# KiCad board polyPath.kicad_pcb (continued)
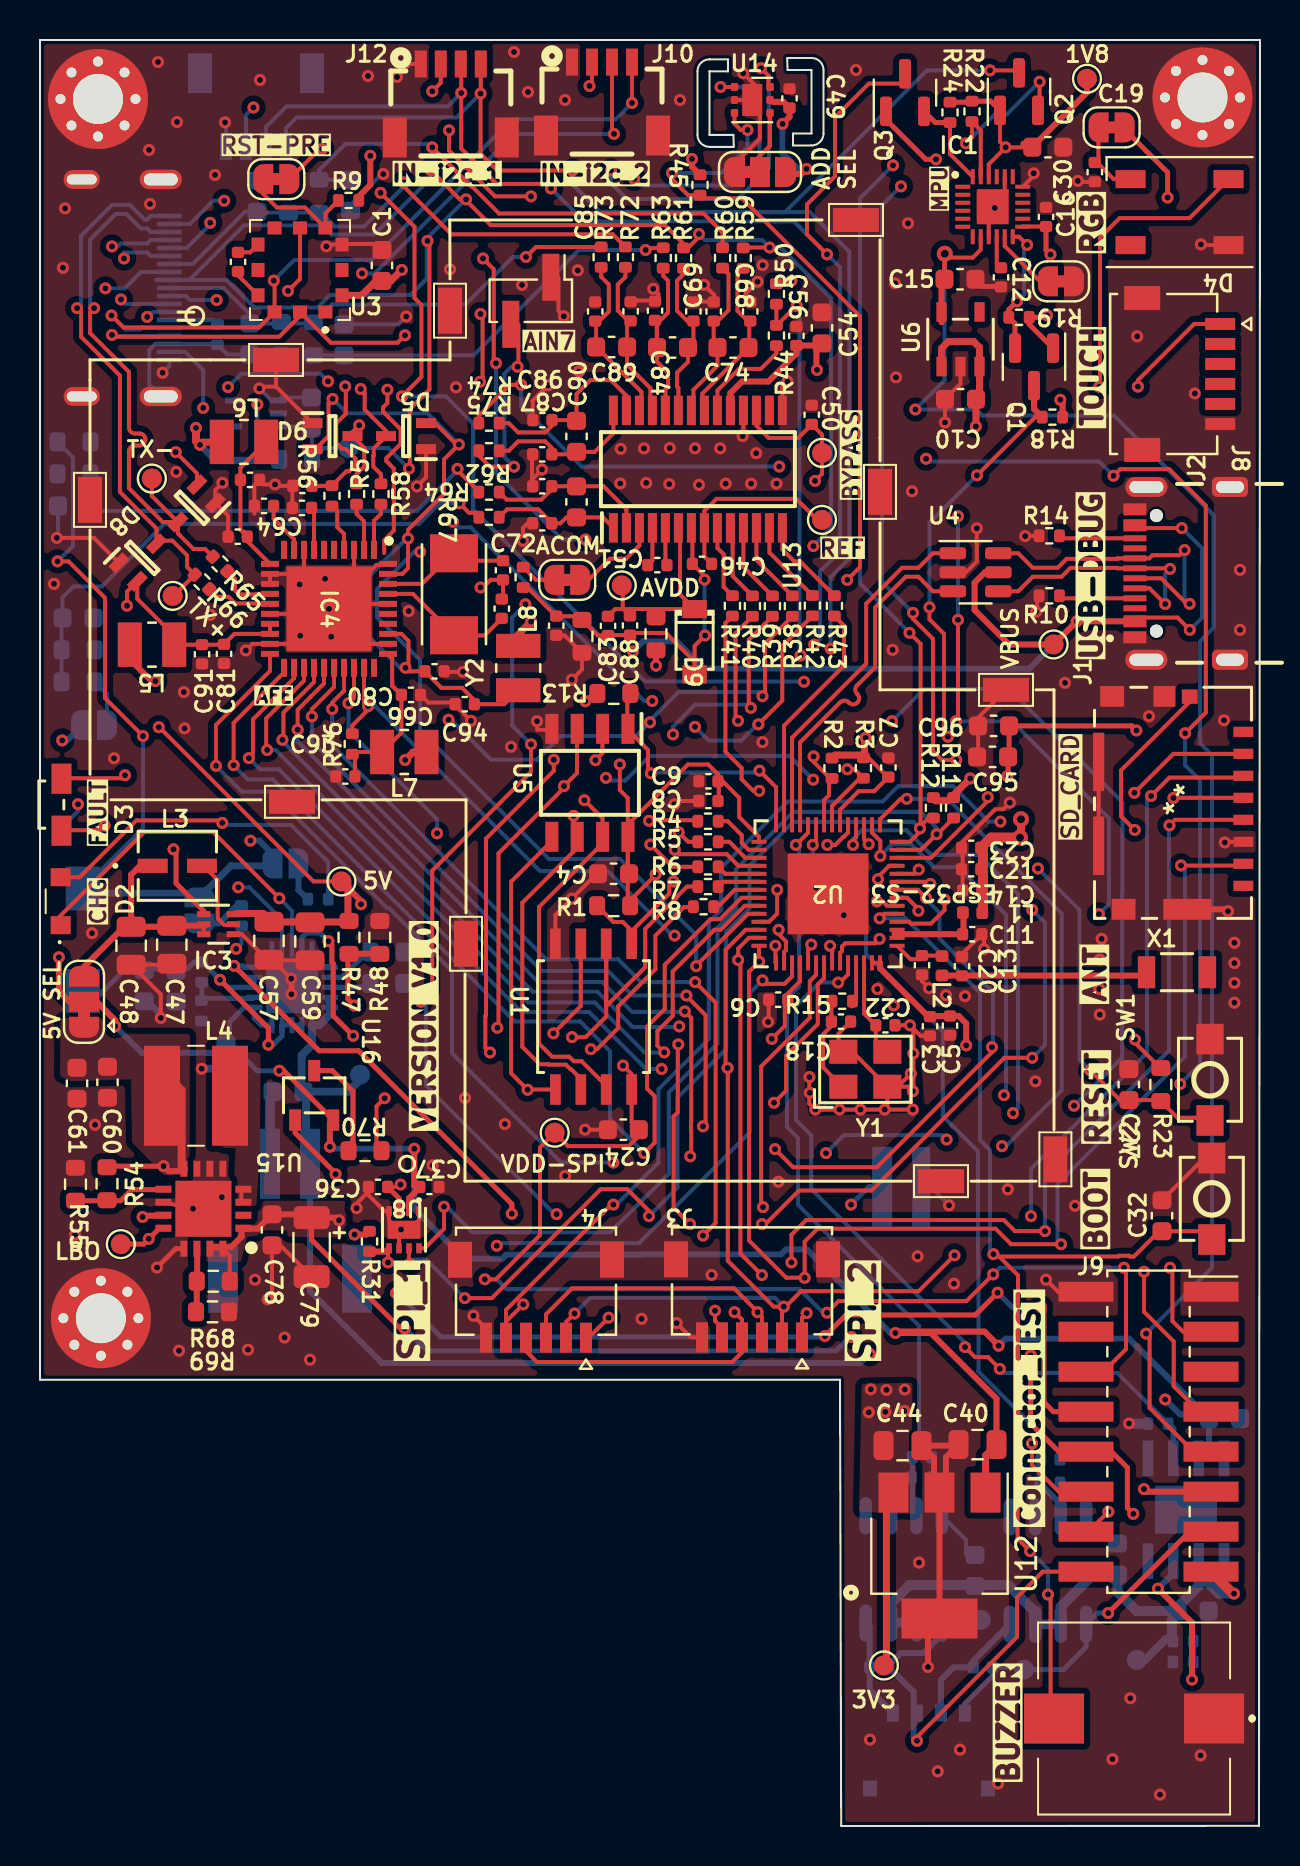
[diagram p0: board, top side]
## Placement (name value [footprint] x y rotation side) (continued)
U16  MMUN2133LT1G TRANS PREBIAS PNP 50V SOT23-3  [MMUN2133LT1-JLCPCB]  13.71 36.54 270 top
X1  2.4GHz Chip RF Antenna 2.4GHz ~ 2.5GHz 0.5dBi Solder Surface Mount  [ANTENNAE]  56.85 42.7 0 top
Y1  40 MHz ±10ppm Crystal 15pF 4-SMD, No Lead  [CRYSTAL-SMD_ESP32]  41.27 37.85 0 top
Y2  8 MHz ±20ppm Crystal 18pF 140 Ohms 2-SMD, No Lead  [AFE-XTAL_ABM3-8.000MHZ-D2Y-T]  20.7 61.6 270 top

## Library data of the parts
5V1 TP1-TP15 = -: Description: test point
C1 C4 C24 C28 C31 C32 C54 C55 C58 C95 = -: Description: Unpolarized capacitor; LCSC: CC0603KRX7R6BB104
C2 = -: Description: Unpolarized capacitor; LCSC: CC0402KRX7R7BB102
C3 C62 = -: Description: Unpolarized capacitor; LCSC: CC0402KRX7R6BB103
C5 C9 C21 C46 C50 C56 = -: Description: Unpolarized capacitor; LCSC: CL05A105KP5NNNC
C6-C8 C11 C14 C30 C36 C37 C49 = -: Description: Unpolarized capacitor; LCSC: VJ0402G104KXQCW1BC
C10 C15 C35 = -: Description: Unpolarized capacitor; LCSC: CL10A106MO8NQNC; digi: CL10A106MO8NQNC
C12 = -: Description: Unpolarized capacitor; LCSC: CL05B104KO5NNNC
C13 C20 = -: Description: Unpolarized capacitor; LCSC: GJM1555C1H1R7WB01D
C16 C41 C42 = -: Description: Unpolarized capacitor; LCSC: CL05B104KO5NNNC; digi: CL05B104KO5NNNC
C17 = -: Description: Unpolarized capacitor; DIGI: CL10A106KP8NNNC; LCSC: CL10A106KP8NNNC
C18 C22 = -: Description: Unpolarized capacitor; LCSC: GJM1555C1H160GB01D
C19 C38 = -: Description: Unpolarized capacitor; LCSC: CC0603KRX7R6BB104; digi: CC0603KRX7R6BB104
C23 = -: Description: Unpolarized capacitor; LCSC: CL05A106MP5NUNC
C25 = -: Description: Unpolarized capacitor; DIGIKEY: CL10A106KP8NNNC; LCSC: CL10A106KP8NNNC
C26 = -: Description: Unpolarized capacitor; DIGI2: CL10A106KP8NNNC; LCSC: CL10A106KP8NNNC
C27 = -: Description: Unpolarized capacitor; LCSC: CL10B105KP8NNNC
C29 C39 C45 C52 C53 = -: Description: Unpolarized capacitor; LCSC: CL10A106KP8NNNC
C33 C34 C82 C88 = -: Description: Unpolarized capacitor; DIGI: CL05B104KO5NNNC; LCSC: CL05B104KO5NNNC
C40 C44 = -: LCSC: C2844306
C43 = -: Description: Unpolarized capacitor; DIGIKEY: CL10B105KP8NNNC; LCSC: CL10B105KP8NNNC
C47 C48 = -: Description: Unpolarized capacitor; LCSC: C0805C106K8PAC7210; digi: C0805C106K8PAC7210
C51 = -: Description: Unpolarized capacitor; DIGI: GRM1555C1H472JE01D; LCSC: GRM1555C1H472JE01D
C57 C59 = -: Description: Unpolarized capacitor; DIGI: C0805C106K8PAC7210; LCSC: C0805C106K8PAC7210
C60 = -: LCSC: CL10A106KP8NNNC
C61 = -: LCSC: CC0603KRX7R6BB104
C63 = -: Description: Unpolarized capacitor; LCSC: CL05A225MP5NSNC
C64 = -: Description: Unpolarized capacitor; Field5: CL05A225MP5NSNC; LCSC: CL05A225MP5NSNC
C65 C66 = -: Description: Unpolarized capacitor; DIG: VJ0402G104KXQCW1BC; LCSC: VJ0402G104KXQCW1BC
C67 C77 = -: Description: Unpolarized capacitor; DIGI: CC0402JRNPO9BN180; LCSC: CC0402JRNPO9BN180
C68-C73 C84-C87 = -: Description: Unpolarized capacitor; LCSC: CC0402JRNPO9BN151
C74-C76 C89 C90 = -: Description: Unpolarized capacitor; LCSC: C0402C162J8JAC7867
C78 = -: LCSC: GCM188R70J225KE22D
C79 = -: LCSC: TMCMA0J107MTRF
C80 = -: Description: Unpolarized capacitor; DIGI: VJ0402G104KXQCW1BC; LCSC: VJ0402G104KXQCW1BC
C81 = -: Description: Unpolarized capacitor; DIG: VJ0402G104KXQCW1BC; LCSC: CL05A105KP5NNNC
C83 = -: Description: Unpolarized capacitor; DIGI: CL05A105KP5NNNC; LCSC: CL05A105KP5NNNC
C91-C94 = -: Description: Unpolarized capacitor; DIGI: CL05A106MQ5NUNC; LCSC: CL05A106MQ5NUNC
C96 = -: Description: Unpolarized capacitor, small symbol; LCSC: CL10A475KP8NNNC
D1 = -: DIGI: SS14; LCSC: SS14
D2 = -: Description: Light emitting diode; LCSC: APA2107LSECK/J4-PRV
D3 D7 = -: Description: Light emitting diode; LCSC: APA2106SURCK
D4 = -: Description: RGB LED with integrated controller; LCSC: 485-3094; Field5: 1
D5 = -: LCSC: BAV99W-7-F
D6 = -: LCSC: BAV99W-7-F; MANUFACTURER: Nexperia USA; PARTREV: 8; STANDARD: IPC-7351B
D8 = -: DIIG: BAV99W-7-F; LCSC: BAV99W-7-F; MANUFACTURER: Nexperia USA; PARTREV: 8; STANDARD: IPC-7351B
D9 = -: DIGI: MMSZ5232BT1G; LCSC: MMSZ5232BT1G; MANUFACTURER: Taiwan Semiconductor; MAXIMUM_PACKAGE_HEIGHT: 1.15 mm; PARTREV: F15; STANDARD: Manufacturer Recommendations
D10 = -: DIGI: BAV99W-7-F; LCSC: BAV99W-7-F; MANUFACTURER: Nexperia USA; PARTREV: 8; STANDARD: IPC-7351B
H1-H3 = -: Description: Mounting Hole with connection
HDMI1 = -: LCSC: 2013978-2
IC1 = -: Description: IMUs - Inertial Measurement Units World\'s Lowest Power 9-Axis MEMS MotionTracking Device; Height: 1.05; LCSC: ICM-20948; Manufacturer_Name: TDK; Manufacturer_Part_Number: ICM-20948; Mouser Part Number: 410-ICM-20948; Mouser Price/Stock: https://www.mouser.co.uk/ProductDetail/TDK-InvenSense/ICM-20948?qs=u4fy%2FsgLU9OtGc31yF%2Friw%3D%3D
IC2 = -: Description: Precision Micropower Shunt Voltage Reference; DIGIKEY: LM4040A25IDCKR; LCSC: LM4040A25IDCKR; Manufacturer_Name: Texas Instruments; Manufacturer_Part_Number: LM4040A25IDCKR; Mouser Price/Stock: https://www.mouser.co.uk/ProductDetail/Texas-Instruments/LM4040A25IDCKR?qs=VBduBm9rCJQQO6dEmOWrgw%3D%3D; Field10: *
IC3 = -: Description: Switching Voltage Regulators 3-A boost converter with 0.5-V ultra-low input voltage 6-SOT-5X3 -40 to 125; DIGI: TPS61023DRLR; Height: 0.6; LCSC: TPS61023DRLR; Manufacturer_Name: Texas Instruments; Manufacturer_Part_Number: TPS61023DRLR; Mouser Part Number: 595-TPS61023DRLR; Mouser Price/Stock: https://www.mouser.co.uk/ProductDetail/Texas-Instruments/TPS61023DRLR?qs=BJlw7L4Cy7%2FfEnwYuWeGOg%3D%3D; texas link: https://webench.ti.com/appinfo/webench/scripts/SDP.cgi?ID=CA948A87DE33687B
IC4 = -: Description: Integrated Analog Front End (AFE) for Heart-Rate Monitors and Low-Cost Pulse Oximeters; Height: 1; LCSC: AFE4490RHAT; Manufacturer_Name: Texas Instruments; Manufacturer_Part_Number: AFE4490RHAT; Mouser Part Number: AFE4490RHAT; Mouser Price/Stock: https://www.mouser.co.uk/ProductDetail/Texas-Instruments/AFE4400RHAT?qs=%2FrNExBQRqERTf7sqnAx%2F%252Bg%3D%3D
J1 = -: LCSC: 1051620001
J2 = -: LCSC: USB4105-GF-A-120; MANUFACTURER: Global Connector Technology; MAXIMUM_PACKAGE_HEIGHT: 3.31mm; PARTREV: B3; STANDARD: Manufacturer Recommendations
J3 J4 = -: LCSC: 5015680607
J5 = -: Description: \nConnector Header Surface Mount, Right Angle 2 position 0.079 (2.00mm)\n; Availability: In Stock; Check_prices: https://www.snapeda.com/parts/S2B-PH-SM4-TB(LF)(SN)/JST+Sales+America+Inc./view-part/?ref=eda; DIGIKEY: S2B-PH-SM4-TB; LCSC: S2B-PH-SM4-TB; MANUFACTURER: JST; MF: JST Sales; MP: S2B-PH-SM4-TB(LF)(SN); Package: None; Price: None; STANDARD: Manufacturer Recommendation; SnapEDA_Link: https://www.snapeda.com/parts/S2B-PH-SM4-TB(LF)(SN)/JST+Sales+America+Inc./view-part/?ref=snap
J6 = -: LCSC: 0781710004; MANUFACTURER: MOLEX; MAXIMUM_PACKAGE_HEIGHT: 1.52mm; PARTREV: G; STANDARD: Manufacturer Recommendations
J7 = -: Description: Generic connector, single row, 01x02, script generated; LCSC: C7434675
J8 = -: LCSC: 5015680607; MANUFACTURER: Molex; MAXIMUM_PACKAGE_HEIGHT: 4.7 mm; PARTREV: A; STANDARD: Manufacturer Recommendations
J9 = -: Description: Generic connector, double row, 02x08, counter clockwise pin numbering scheme (similar to DIP package numbering), script generated (kicad-library-utils/schlib/autogen/connector/); LCSC: C3975172
J10 J11 = -: LCSC: PRT-14417; MANUFACTURER: JST; MAXIMUM_PACKAGE_HEIGHT: 5.8 mm; PARTREV: N/A; STANDARD: Manufacturer Recommendations; digi: SM04B-ZESS-TB
J12 = -: LCSC: PRT-14417; MANUFACTURER: JST; MAXIMUM_PACKAGE_HEIGHT: 5.8 mm; PARTREV: N/A; STANDARD: Manufacturer Recommendations
JP1-JP6 JP9 = -: Description: Jumper, 2-pole, open
JP7 = -: Description: Jumper, 3-pole, both open
JP8 = -: Description: Jumper, 3-pole, both open; Field4: 1; Field5: 3
L1 = -: Description: Inductor; LCSC: LQG15HS2N0S02D
L2 = -: Description: Inductor; LCSC: LQG15WH1N9S02D
L3 = -: Description: Inductor; LCSC: IHLP1212AEERR47M11
L4 = -: Description: Inductor symbol for simulation only; DIGI: DR73-6R8-R; Field8: https://www.digikey.com/en/products/detail/laird-signal-integrity-products/TYS50406R8M-10/4733476; LCSC: TYS50406R8M-10; MOUSER MUST BUY MOUSER: TYS50406R8M-10; link: https://www.digikey.com/en/products/detail/laird-signal-integrity-products/TYS50406R8M-10/4733476
L5-L8 = -: Description: Inductor symbol for simulation only; LCSC: MAKK2520H100M
LS1 = -: Description: Audio Indicators & Alerts Buzzer 9.6mm sq 2.7kHz 3V SMT; Height: 5; Manufacturer_Name: CUI Devices; Mouser Part Number: 490-CMI-9653S-SMT-TR; Mouser Price/Stock: https://www.mouser.co.uk/ProductDetail/CUI-Devices/CMI-9653S-SMT-TR?qs=qCxwlXJ4fnz7UpLQu8UKbg%3D%3D
MP1-MP9 = -: Description: Shield Clip, SMT, Midi, Beryllium Copper, tin, Tape & Reeled; Height: 3.55; Manufacturer_Name: Harwin; Manufacturer_Part_Number: S1711-46R; Mouser Part Number: N/A; Mouser Price/Stock: https://www.mouser.co.uk/ProductDetail/Harwin/S1711-46R?qs=93uzuGORGqc8FyLhIh5ctw%3D%3D
MP10 = -: Description: Shield Clip, SMT, Midi, Beryllium Copper, tin, Tape & Reeled; Height: 3.55; Manufacturer_Name: Harwin; Mouser Part Number: N/A; Mouser Price/Stock: https://www.mouser.co.uk/ProductDetail/Harwin/S1711-46R?qs=93uzuGORGqc8FyLhIh5ctw%3D%3D
NTC1 = -: Description: Temperature dependent resistor, negative temperature coefficient; LCSC: 4890
Q1-Q3 = -: Description: 50V Vds, 0.22A Id, N-Channel MOSFET, SOT-23; LCSC: BSS138
R1 R13 = -: Description: Resistor; LCSC: RT0603BRD07100KL
R2 R3 R11 R12 R31 R35 R76 = -: Description: Resistor; LCSC: RC0402FR-0710KL
R4-R8 R15 R57 R58 R65 R66 = -: Description: Resistor; LCSC: RC0402JR-070RL
R9 = -: Description: Resistor; LCSC: RC0402FR-072K2L
R10 R14 = -: Description: Resistor; DIGI: CRCW04025K10JNED; LCSC: CRCW04025K10JNED
R16 = -: Description: Resistor; DIGI: RC0402FR-07270KL; LCSC: RC0402FR-07270KL
R17 = -: Description: Resistor; DIGI: RC0402FR-07100KL; LCSC: RC0402FR-07100KL
R18 R19 = -: Description: Resistor; DIHI: RC0402JR-074K7L; LCSC: RC0402JR-074K7L
R20 = -: Description: Resistor; DIGIKEY: CRCW06031K00FKEC; LCSC: CRCW06031K00FKEC
R21 = -: Description: Resistor; DIGIKEY: RT0603BRD07100KL; LCSC: RT0603BRD07100KL
R22 R24 R32 R33 = -: Description: Resistor; DIGI: RC0402FR-0710KL; LCSC: RC0402FR-0710KL
R23 = -: Description: Resistor; LCSC: RC0603FR-0710KL
R25 = -: Description: Resistor; LCSC: RC0603FR-073K3L
R26 = -: Description: Resistor; LCSC: RC0603FR-072KL
R27 R56 = -: Description: Resistor; DIGI: RC0402FR-071KL; LCSC: RC0402FR-071KL
R28 = -: Description: Resistor; DIGIKEY: RC0402FR-071KL; LCSC: RC0402FR-071KL
R29 = -: Description: Resistor; LCSC: RC0603FR-07442KL
R30 = -: Description: Resistor; LCSC: RC0603FR-07160KL
R34 = -: Description: Resistor; LCSC: RC0603FR-07330RL
R36 = -: Description: Resistor; LCSC: RC0402FR-07169KL
R37 = -: Description: Resistor; LCSC: TNPW040230K1BEED; digi: TNPW040230K1BEED
R38-R44 = -: Description: Resistor; DIGI: RC0402FR-0747RL; LCSC: RC0402FR-0747RL
R45 = -: Description: Resistor; LCSC: RC0402FR-075KL
R46 R51 = -: Description: Resistor; LCSC: TNPW06034K99BEEA
R47 = -: Description: Resistor; DIGI: CR0603-FX-7323ELF; LCSC: CR0603-FX-7323ELF
R48 = -: Description: Resistor; DIGI: RC0603FR-07100KL; LCSC: RC0603FR-07100KL
R49 R52 = -: Description: Resistor; LCSC: TNPW060336K0BEEA
R50 = -: Description: Resistor; DIGI: RC0402FR-0710KL
R53 = -: Description: Resistor; LCSC: RC0402FR-071ML; digi: RC0402FR-071ML
R54 = -: LCSC: CRCW06031M87FKEA
R55 = -: LCSC: RMCF0603FT340K
R59-R64 R67 R72-R75 = -: Description: Resistor; LCSC: TNPW04021K00BEED
R68 = -: LCSC: RC0603JR-071M8L
R69 = -: LCSC: RG1608N-204-W-T1
R70 = -: LCSC: CRCW06031K00FKEC
R71 R77 = -: Description: Resistor; DIGI: RC0603JR-070RL; LCSC: RC0603JR-070RL
SW1 SW2 = -: Description: Push button switch, generic, two pins; LCSC: C557591
U1 = -: LCSC: W25Q128JVSIQ; Field5: *
U2 = -: LCSC: ESP32-S3; Field5: *
U3 = -: LCSC: MPRLS0025PA00001A
U4 = -: Description: Very low capacitance ESD protection diode, 2 data-line, SOT-23-6
U5 = -: LCSC: 4677
U6 = -: LCSC: MIC5225-1.8YM5-TR; Field5: *
U7 = -: Description: \nMicrochip MCP73871-2CCI/ML, Battery Charge Controller, 1000mA, 20-Pin QFN | Microchip Technology Inc. MCP73871-2CCI/ML\n; Availability: In Stock; Check_prices: https://www.snapeda.com/parts/MCP73871-2CCI/ML/Microchip/view-part/?ref=eda; LCSC: MCP73871-2CCI/ML; MF: Microchip; MP: MCP73871-2CCI/ML; Package: QFN-20 Microchip; Price: None; Purchase-URL: https://www.snapeda.com/api/url_track_click_mouser/?unipart_id=53522&manufacturer=Microchip&part_name=MCP73871-2CCI/ML&search_term=None; SnapEDA_Link: https://www.snapeda.com/parts/MCP73871-2CCI/ML/Microchip/view-part/?ref=snap; Field13: *
U8 = -: Description: \n3µA 1-Cell/2-Cell Fuel Gauge with ModelGauge\n; Availability: In Stock; Check_prices: https://www.snapeda.com/parts/MAX17048G+/Analog+Devices/view-part/?ref=eda; LCSC: MAX17048G+T10; MANUFACTURER: Maxim Semiconductor; MF: Analog Devices; MP: MAX17048G+; Package: TDFN-8 Maxim; Price: None; Purchase-URL: https://www.snapeda.com/api/url_track_click_mouser/?unipart_id=295942&manufacturer=Analog Devices&part_name=MAX17048G+&search_term=max17048; SnapEDA_Link: https://www.snapeda.com/parts/MAX17048G+/Analog+Devices/view-part/?ref=snap
U9 = -: Description: \nMotor control driver chip\n; Availability: Not in stock; Check_prices: https://www.snapeda.com/parts/L9110%20(SOP-8)/Asic/view-part/?ref=eda; LCSC: C513306; MF: Asic; Package: Package; Price: None; SnapEDA_Link: https://www.snapeda.com/parts/L9110%20(SOP-8)/Asic/view-part/?ref=snap
U10 = -: Description: \nMotor control driver chip\n; Availability: Not in stock; Check_prices: https://www.snapeda.com/parts/L9110%20(SOP-8)/Asic/view-part/?ref=eda; LCSC: C513306; MF: Asic; MP: L9110 (SOP-8); Package: Package; Price: None; SnapEDA_Link: https://www.snapeda.com/parts/L9110%20(SOP-8)/Asic/view-part/?ref=snap
U11 = -: Description: 2A, Low-Dropout Voltage Regulator, 1.425-6.5V Input, Adjustable Min 0.5V Output, PowerPad SO-8; LCSC: TPS7A7001DDA; Field5: *
U12 = -: LCSC: C211622
U13 = -: DIGIKEY: 296-42313-5-ND; LCSC: ADS1263IPW; MAN-NUM: ADS1263IPW
U14 = -: Description: Digital Temperature Sensor with I2C/SMBus Interface, 16 bits, +/-0.3° C, one-shot conversion, alert, nist traceable, EEPROM, WSON; LCSC: TMP117AIDRVR; LINK: https://elmwoodelectronics.ca/products/breadboard-friendly-i2c-temperature-sensor-tc74a0-tc74a0-5-0vat; LINK2: https://www.sparkfun.com/datasheets/Sensors/Temperature/LM135.pdf
U15 = -: Description: Conv DC-DC Single-OUT Step Up Texas Instruments TPS61090RSAR, Boost Converter, Step Up 0.5A Adjustable, 1.8  5.5 V, 600 kHz, 16-Pin QFN; Height: 1; Manufacturer_Name: Texas Instruments; Mouser Part Number: 595-TPS61090RSAR; Mouser Price/Stock: https://www.mouser.co.uk/ProductDetail/Texas-Instruments/TPS61090RSAR?qs=Gse6rAGbi7%2FbGTQiY2PrFA%3D%3D
U16 = -: LCSC: MMUN2133LT1G
X1 = -: LCSC: 2450AT18A0100001E
Y1 = -: Description: Four pin crystal, GND on pins 2 and 4; DIGI: 7M40000183; LCSC: C331598
Y2 = -: Description: Two pin crystal; DIGIKEY-PART: ABM3-8.000MHZ-D2Y-T; LCSC: ABM3-8.000MHZ-D2Y-T

## Footprints (pads in the part's own frame, mm; a bottom-side part is the same pattern mirrored in y, then rotated)
ADS1263
  rect 1.475x0.45 smd: 1(-2.938,4.225) 2(-2.938,3.575) 3(-2.938,2.925) 4(-2.938,2.275) 5(-2.938,1.625) 6(-2.938,0.975) 7(-2.938,0.325) 8(-2.938,-0.325) 9(-2.938,-0.975) 10(-2.938,-1.625) 11(-2.938,-2.275) 12(-2.938,-2.925) 13(-2.938,-3.575) 14(-2.938,-4.225) 15(2.938,-4.225) 16(2.938,-3.575) 17(2.938,-2.925) 18(2.938,-2.275) 19(2.938,-1.625) 20(2.938,-0.975) 21(2.938,-0.325) 22(2.938,0.325) 23(2.938,0.975) 24(2.938,1.625) 25(2.938,2.275) 26(2.938,2.925) 27(2.938,3.575) 28(2.938,4.225)
AFE-XTAL_ABM3-8.000MHZ-D2Y-T
  rect 1.9x2.4 smd: 1(-2.05,0) 2(2.05,0)
ANTENNAE
  rect 0.864x1.6 smd: 1(-1.524,0) NC(1.524,0)
BAV99W-7-F
  rect 1x0.5 smd: 1(-1,0.65) 2(-1,-0.65) 3(1,0)
BUTTON_C557591_JLCPCB
  rect 1.53x1.36 smd: 1(-2.035,0) 2(2.035,0)
C_0402_1005Metric
  rrect 0.56x0.62 smd: 1(-0.48,0) 2(0.48,0)
C_0603_1608Metric
  rrect 0.9x0.95 smd: 1(-0.775,0) 2(0.775,0)
C_0805_2012Metric
  rrect 1x1.45 smd: 1(-0.95,0) 2(0.95,0)
C_1206_3216Metric
  rrect 1.15x1.8 smd: 1(-1.475,0) 2(1.475,0)
cagefaraday2
  rect 2.3x1.2 smd: 1(0,0)
CMI9653SSMTTR
  rect 3x2.5 smd: 1(-3.75,0) 2(4.25,0)
CONNECTOR-BATTERY-S2B-PH-SM4-TB
  rect 0.991x3.505 smd: 1(-1,2.955) 2(1,2.955)
  rect 1.499x3.404 smd: 3(-3.35,-2.795) 4(3.35,-2.795)
Connector-motor-valve
  rect 0.6x0.85 smd: 1(-1.8,0) 2(-0.6,0) 3(0.6,0) 4(1.8,0)
  rect 0.7x0.8 smd: S1(2.95,-3.775) S2(-2.95,-3.775)
CRYSTAL-SMD_ESP32
  rect 1.4x1.2 smd: 1(-1.1,-0.875) 2(1.1,-0.875) 3(1.1,0.875) 4(-1.1,0.875)
DIODE-ZENER-ADS1263
  rect 0.91x1.22 smd: 1(-1.635,0) 2(1.635,0)
ESP32-S3
  rect 0.755x0.199 smd: 1(-3.452,2.6) 2(-3.452,2.2) 3(-3.452,1.8) 4(-3.452,1.4) 5(-3.452,1) 6(-3.452,0.6) 7(-3.452,0.2) 8(-3.452,-0.2) 9(-3.452,-0.6) 10(-3.452,-1) 11(-3.452,-1.4) 12(-3.452,-1.8) 13(-3.452,-2.2) 14(-3.452,-2.6) 29(3.452,-2.6) 30(3.452,-2.2) 31(3.452,-1.8) 32(3.452,-1.4) 33(3.452,-1) 34(3.452,-0.6) 35(3.452,-0.2) 36(3.452,0.2) 37(3.452,0.6) 38(3.452,1) 39(3.452,1.4) 40(3.452,1.8) 41(3.452,2.2) 42(3.452,2.6)
  rect 0.199x0.755 smd: 15(-2.6,-3.452) 16(-2.2,-3.452) 17(-1.8,-3.452) 18(-1.4,-3.452) 19(-1,-3.452) 20(-0.6,-3.452) 21(-0.2,-3.452) 22(0.2,-3.452) 23(0.6,-3.452) 24(1,-3.452) 25(1.4,-3.452) 26(1.8,-3.452) 27(2.2,-3.452) 28(2.6,-3.452) 43(2.6,3.452) 44(2.2,3.452) 45(1.8,3.452) 46(1.4,3.452) 47(1,3.452) 48(0.6,3.452) 49(0.2,3.452) 50(-0.2,3.452) 51(-0.6,3.452) 52(-1,3.452) 53(-1.4,3.452) 54(-1.8,3.452) 55(-2.2,3.452) 56(-2.6,3.452)
  rect 4.039x4.039 smd: 57(0,0)
GCT_USB4105GFA120
  round 0.65 hole 0.65 unplated: (-2.89,3.68) (2.89,3.68)
  rect 0.6x1.15 smd: A1_B12(-3.2,4.755) A4_B9(-2.4,4.755) B1_A12(3.2,4.755) B4_A9(2.4,4.755)
  rect 0.3x1.15 smd: A5(-1.25,4.755) A6(-0.25,4.755) A7(0.25,4.755) A8(1.25,4.755) B5(1.75,4.755) B6(0.75,4.755) B7(-0.75,4.755) B8(-1.75,4.755)
  oval 1x2.1 hole 0.6x1.7: SH1(-4.32,4.18) SH2(4.32,4.18)
  rrect 1x1.8 hole 0.6x1.4: SH3(-4.32,0) SH4(4.32,0)
INDCTOR-AFE
  rect 1.2x2.22 smd: 1(-1.11,0) 2(1.11,0)
INDUCTOEBOOST2-MOUSER
  rect 1.8x5 smd: 1(-1.7,0) 2(1.7,0)
inductor-470nH-TPS1
  rect 1.498x0.711 smd: 1(-1.232,0) 2(1.232,0)
L9110-SOP-8_L4.9-W3.9-P1.27-LS6.0-BL
  oval 0.63x1.865 smd: 1(-1.905,-2.682) 2(-0.635,-2.682) 3(0.635,-2.682) 4(1.905,-2.682) 5(1.905,2.682) 6(0.635,2.682) 7(-0.635,2.682) 8(-1.905,2.682)
L_0402_1005Metric
  rrect 0.59x0.64 smd: 1(-0.485,0) 2(0.485,0)
led orange
  rect 0.9x1 smd: 1(-1.2,0.25) 2(1.2,0.25)
LED_RED
  rect 1.499x0.991 smd: 1(-1.3,-0.505) 2(1.3,-0.505)
LED_WS2812B_PLCC4_5.0x5.0mm_P3.2mm
  rect 1.5x0.9 smd: 1(-2.45,1.65) 2(-2.45,-1.65) 3(2.45,-1.65) 4(2.45,1.65)
LM4040A25IDCKR
  rect 0.851x0.305 smd: 1(-1.124,0.65) 2(-1.124,0) 3(-1.124,-0.65) 4(1.124,-0.65) 5(1.124,0.65)
MAX17048G+T10-C2682616-DFN-8_L2.0-W2.0-P0.50-BL-EP
  rect 0.28x0.505 smd: 1(-0.75,-0.928) 2(-0.25,-0.928) 3(0.25,-0.928) 4(0.75,-0.928) 5(0.75,0.928) 6(0.25,0.928) 7(-0.25,0.928) 8(-0.75,0.928)
  rect 1.65x0.9 smd: 9(0,0)
MCP73871-last-version
  rect 0.813x0.254 smd: 1(-1.892,1) 2(-1.892,0.5) 3(-1.892,0) 4(-1.892,-0.5) 5(-1.892,-1) 11(1.892,-1) 12(1.892,-0.5) 13(1.892,0) 14(1.892,0.5) 15(1.892,1)
  rect 0.254x0.813 smd: 6(-1,-1.892) 7(-0.5,-1.892) 8(0,-1.892) 9(0.5,-1.892) 10(1,-1.892) 16(1,1.892) 17(0.5,1.892) 18(0,1.892) 19(-0.5,1.892) 20(-1,1.892)
  rect 2.6x2.6 smd: 21(0,0)
MIC5225-1.8YM5-TR
  rect 0.978x0.508 smd: 1(-1.365,0.95) 2(-1.365,0) 3(-1.365,-0.95) 4(1.365,-0.95) 5(1.365,0.95)
MMUN2133LT1-JLCPCB
  rect 1.07x0.6 smd: 1(1.235,-0.95) 2(1.235,0.95) 3(-1.235,0)
MountingHole_2.5mm_Pad_Via
  round 0.8 hole 0.5: 1(-1.875,0) 1(-1.326,1.326) 1(-1.326,-1.326) 1(0,1.875) 1(0,-1.875) 1(1.326,1.326) 1(1.326,-1.326) 1(1.875,0)
  round 5 hole 2.5: 1(0,0)
MOUSER-AFE
  rect 0.9x0.3 smd: 1(-2.95,2.25) 2(-2.95,1.75) 3(-2.95,1.25) 4(-2.95,0.75) 5(-2.95,0.25) 6(-2.95,-0.25) 7(-2.95,-0.75) 8(-2.95,-1.25) 9(-2.95,-1.75) 10(-2.95,-2.25) 21(2.95,-2.25) 22(2.95,-1.75) 23(2.95,-1.25) 24(2.95,-0.75) 25(2.95,-0.25) 26(2.95,0.25) 27(2.95,0.75) 28(2.95,1.25) 29(2.95,1.75) 30(2.95,2.25)
  rect 0.3x0.9 smd: 11(-2.25,-2.95) 12(-1.75,-2.95) 13(-1.25,-2.95) 14(-0.75,-2.95) 15(-0.25,-2.95) 16(0.25,-2.95) 17(0.75,-2.95) 18(1.25,-2.95) 19(1.75,-2.95) 20(2.25,-2.95) 31(2.25,2.95) 32(1.75,2.95) 33(1.25,2.95) 34(0.75,2.95) 35(0.25,2.95) 36(-0.25,2.95) 37(-0.75,2.95) 38(-1.25,2.95) 39(-1.75,2.95) 40(-2.25,2.95)
  rect 4.25x4.25 smd: 41(0,0)
MPRLS0025PA00001A
  rect 0.7x0.65 smd: 1(1.27,-2.1) 2(0,-2.1) 3(-1.27,-2.1) 7(-1.27,2.1) 8(0,2.1) 9(1.27,2.1)
  rect 0.65x0.7 smd: 4(-2.1,-1.27) 5(-2.1,0) 6(-2.1,1.27) 10(2.1,1.27) 11(2.1,0) 12(2.1,-1.27)
mpu
  rect 0.75x0.2 smd: 1(-1.5,1) 2(-1.5,0.6) 3(-1.5,0.2) 4(-1.5,-0.2) 5(-1.5,-0.6) 6(-1.5,-1) 13(1.5,-1) 14(1.5,-0.6) 15(1.5,-0.2) 16(1.5,0.2) 17(1.5,0.6) 18(1.5,1)
  rect 0.2x0.75 smd: 7(-1,-1.5) 8(-0.6,-1.5) 9(-0.2,-1.5) 10(0.2,-1.5) 11(0.6,-1.5) 12(1,-1.5) 19(1,1.5) 20(0.6,1.5) 21(0.2,1.5) 22(-0.2,1.5) 23(-0.6,1.5) 24(-1,1.5)
  rect 1.59x1.75 smd: 25(0,0)
OLD-VERSIONHDMI-MINI
  rect 0.229x1.245 smd: 1(3.6,3.739) 2(3.2,3.739) 3(2.8,3.739) 4(2.4,3.739) 5(2,3.739) 6(1.6,3.739) 7(1.2,3.739) 8(0.8,3.739) 9(0.4,3.739) 10(0,3.739) 11(-0.4,3.739) 12(-0.8,3.739) 13(-1.2,3.739) 14(-1.6,3.739) 15(-2,3.739) 16(-2.4,3.739) 17(-2.8,3.739) 18(-3.2,3.739) 19(-3.6,3.739)
  oval 0.965x2.108 hole 0.6x1.7: 20(-5.425,3.314) 21(5.425,3.314)
  oval 0.94x1.803 hole 0.5x1.5: 22(-5.425,-0.639) 23(5.425,-0.639)
PinHeader_1x02_P2.00mm_Vertical_SMD_Pin1Left
  rect 2.35x0.85 smd: 1(-1.175,1) 2(1.175,-1)
PinHeader_2x01_P2.00mm_Vertical_SMD
  rect 3.99x1 smd: 1(-0.005,1.1)
  rect 3.99x0.9 smd: 2(0.005,-0.85)
PinSocket_2x08_P2.00mm_Vertical_SMD
  rect 2.75x1 smd: 1(3.125,7) 2(-3.125,7) 3(3.125,5) 4(-3.125,5) 5(3.125,3) 6(-3.125,3) 7(3.125,1) 8(-3.125,1) 9(3.125,-1) 10(-3.125,-1) 11(3.125,-3) 12(-3.125,-3) 13(3.125,-5) 14(-3.125,-5) 15(3.125,-7) 16(-3.125,-7)
R_0402_1005Metric
  rrect 0.54x0.64 smd: 1(-0.51,0) 2(0.51,0)
R_0603_1608Metric
  rrect 0.8x0.95 smd: 1(-0.825,0) 2(0.825,0)
sdcard-2
  rect 2.921x0.559 smd: 14(-2.145,3.717) 15(2.045,3.717)
  rect 1.041x1.092 smd: G1(5.325,0.432)
  rect 1.041x1.194 smd: G2(5.325,3.042) G3(-5.325,2.472)
  rect 1.041x2.388 smd: G4(-5.325,-0.713)
  rect 0.508x0.991 smd: P1(3.55,-3.518) P2(2.45,-3.518) P3(1.35,-3.518) P4(0.25,-3.518) P5(-0.85,-3.518) P6(-1.95,-3.518) P7(-3.05,-3.518) P8(-4.15,-3.518)
  rect 0.711x0.787 smd: P9(5.31,-0.838)
SolderJumper-2_P1.3mm_Bridged_RoundedPad1.0x1.5mm
  custom 1x0.5 smd: 1(-0.65,0) 2(0.65,0)
SolderJumper-2_P1.3mm_Open_RoundedPad1.0x1.5mm
  custom 1x0.5 smd: 1(-0.65,0) 2(0.65,0)
SolderJumper-3_P1.3mm_Bridged12_RoundedPad1.0x1.5mm
  custom 1x0.5 smd: 1(-1.3,0) 3(1.3,0)
  rect 1x1.5 smd: 2(0,0)
SolderJumper-3_P1.3mm_Bridged12_RoundedPad1.0x1.5mm_NumberLabels
  custom 1x0.5 smd: 1(-1.3,0) 3(1.3,0)
  rect 1x1.5 smd: 2(0,0)
SOT-23
  rrect 1.475x0.6 smd: 1(-0.938,0.95) 2(-0.938,-0.95) 3(0.938,0)
SOT-23-6
  rrect 1.325x0.6 smd: 1(-1.137,0.95) 2(-1.137,0) 3(-1.137,-0.95) 4(1.137,-0.95) 5(1.137,0) 6(1.137,0.95)
SOT-223
  rect 2x1.5 smd: 1(-3.15,2.3) 2(-3.15,0) 3(-3.15,-2.3)
  rect 2x3.8 smd: 4(3.15,0)
spi-molex-connectr
  rect 0.6x1.5 smd: 1(-2.5,2.55) 2(-1.5,2.55) 3(-0.5,2.55) 4(0.5,2.55) 5(1.5,2.55) 6(2.5,2.55)
  rect 1.2x1.8 smd: S1(3.8,-1.35) S2(-3.8,-1.35)
SRAM
  rect 1.5x0.65 smd: 1(-2.7,1.905) 2(-2.7,0.635) 3(-2.7,-0.635) 4(-2.7,-1.905) 5(2.7,-1.905) 6(2.7,-0.635) 7(2.7,0.635) 8(2.7,1.905)
SS1-DIODE-SHOTKKY
  rect 2.2x1.7 smd: 1(-2.565,0) 2(2.565,0)
STEMMA
  rect 0.6x1.35 smd: 1(-1.5,0) 2(-0.5,0) 3(0.5,0) 4(1.5,0)
  rect 1.2x2 smd: S1(-2.8,-3.675) S2(2.8,-3.675)
STEMMA#2
  rect 0.6x1.35 smd: 1(-1.5,0) 2(-0.5,0) 3(0.5,0) 4(1.5,0)
  rect 1.2x2 smd: S1(2.8,-3.675) S2(-2.8,-3.675)
TestPoint_Pad_D1.0mm
  round 1 smd: 1(0,0)
TPS7A7001DDA
  rect 1.778x0.533 smd: 1(-2.565,1.905) 2(-2.565,0.635) 3(-2.565,-0.635) 4(-2.565,-1.905) 5(2.565,-1.905) 6(2.565,-0.635) 7(2.565,0.635) 8(2.565,1.905)
  rect 2.4x3.1 smd: 9(0,0)
TPS61023DRLR
  rect 0.67x0.3 smd: 1(-0.74,0.5) 2(-0.74,0) 3(-0.74,-0.5) 4(0.74,-0.5) 5(0.74,0) 6(0.74,0.5)
TPS61090RSAR (2)
  rect 0.8x0.35 smd: 1(-2,0.975) 2(-2,0.325) 3(-2,-0.325) 4(-2,-0.975) 9(2,-0.975) 10(2,-0.325) 11(2,0.325) 12(2,0.975)
  rect 0.35x0.8 smd: 5(-0.975,-2) 6(-0.325,-2) 7(0.325,-2) 8(0.975,-2) 13(0.975,2) 14(0.325,2) 15(-0.325,2) 16(-0.975,2)
  rect 2.8x2.8 smd: 17(0,0)
W25Q128JVSIQ
  rect 1.524x0.533 smd: 1(-3.645,1.905) 2(-3.645,0.635) 3(-3.645,-0.635) 4(-3.645,-1.905) 5(3.645,-1.905) 6(3.645,-0.635) 7(3.645,0.635) 8(3.645,1.905)
WSON-6-1EP_2x2mm_P0.65mm_EP1x1.6mm
  rrect 0.81x0.64 smd: (0,0.4) (0,-0.4)
  rrect 0.375x0.4 smd: 1(-0.887,0.65) 2(-0.887,0) 3(-0.887,-0.65) 4(0.887,-0.65) 5(0.887,0) 6(0.887,0.65)
  rect 1x1.6 smd: 7(0,0)

## Nets
+1V8: C15.1 C16.1 C19.1 IC1.8 IC1.13 IC1.22 J9.9 Q1.1 Q2.1 Q3.1 R19.1 R22.1 R24.1 R74.2 TP2.1 U6.5
+3.3V: C1.1 C3.2 C5.2 C6.1 C7.1 C10.1 C14.1 C21.2 C23.1 C36.1 C44.1 C49.2 C54.1 C56.2 C95.1 C96.1 HDMI1.13 J1.P4 J3.1 J4.1 J9.14 J10.2 J11.2 J12.2 JP8.3 L1.1 L5.2 L6.2 L7.2 L8.2 R2.1 R3.1 R9.2 R11.1 R12.1 R18.1 R23.1 R31.1 R34.1 R45.1 R50.2 TP7.1 U2.20 U2.46 U2.55 U2.56 U3.12 U6.1 U6.3 U8.3 U12.3 U13.19 U14.5
+3.3VA: C35.1 C38.1 C45.1 J9.15 R36.1 TP8.1 U9.2 U9.3 U10.2 U10.3 U11.6
+5V: C57.1 C59.1 C78.1 C79.1 HDMI1.18 IC3.6 J9.10 JP5.1 R47.1 R68.2 R77.2 TP11.1 U15.1 U15.15 U15.16
/2.5V: C43.2 HDMI1.9 HDMI1.12 IC2.3 J9.7 R34.2 R59.2 R61.2 TP6.1
/AVDD: C83.2 C88.2 D9.1 R77.1 TP13.1 U13.6
/AVSS: C46.2 C82.2 C83.1 C88.1 D9.2 R67.2 R71.2 U13.7
/VDD3P3: C11.1 L1.2 U2.2 U2.3
/VDD_SPI: C4.1 C8.1 C9.2 C24.1 J9.6 R1.2 R13.2 TP1.1 U1.8 U2.29 U5.8
GND: C1.2 C3.1 C4.2 C5.1 C6.2 C7.2 C8.2 C9.1 C10.2 C11.2 C12.2 C13.1 C14.2 C15.2 C16.2 C17.2 C18.1 C19.2 C20.1 C21.1 C22.1 C23.2 C24.2 C25.2 C26.2 C27.1 C28.2 C29.2 C30.1 C31.2 C32.2 C35.2 C36.2 C37.1 C38.2 C39.2 C40.2 C41.2 C42.2 C43.1 C44.2 C45.2 C47.2 C48.2 C49.1 C50.1 C52.2 C53.2 C54.2 C55.2 C56.1 C57.2 C58.2 C59.2 C60.2 C61.2 C62.1 C63.1 C64.2 C65.1 C66.1 C67.1 C68.1 C69.2 C70.1 C71.2 C72.1 C73.2 C77.2 C78.2 C79.2 C80.1 C81.1 C82.1 C84.1 C85.2 C86.1 C87.2 C91.1 C92.1 C93.1 C94.1 C95.2 C96.2 D4.1 D5.1 D6.1 D7.1 D8.1 D10.1 H1.1 H2.1 H3.1 HDMI1.17 HDMI1.19 HDMI1.20 HDMI1.21 HDMI1.22 HDMI1.23 IC1.9 IC1.18 IC1.20 IC1.25 IC2.1 IC3.4 IC4.3 IC4.8 IC4.12 IC4.13 IC4.16 IC4.19 IC4.32 IC4.36 IC4.40 IC4.41 J1.14 J1.15 J1.G1 J1.G2 J1.G3 J1.G4 J1.P6 J2.A1_B12 J2.B1_A12 J2.SH1 J2.SH2 J2.SH3 J2.SH4 J3.6 J3.S1 J3.S2 J4.6 J4.S1 J4.S2 J5.2 J5.3 J5.4 J6.S1 J6.S2 J7.1 J8.6 J8.S1 J8.S2 J9.1 J9.2 J10.1 J10.S1 J10.S2 J11.1 J11.S1 J11.S2 J12.1 J12.S1 J12.S2 JP2.2 JP8.1 LS1.1 MP1.1 MP2.1 MP3.1 MP4.1 MP5.1 MP6.1 MP7.1 MP8.1 MP9.1 MP10.1 NTC1.2 R10.1 R14.1 R17.2 R20.1 R21.1 R26.2 R30.2 R32.2 R33.2 R35.2 R37.2 R48.2 R49.2 R52.2 R53.2 R55.1 R69.1 R71.1 SW1.2 SW2.2 U1.4 U2.57 U3.10 U4.2 U5.4 U6.2 U7.10 U7.11 U7.21 U8.1 U8.4 U8.6 U8.9 U9.5 U9.6 U9.8 U10.5 U10.6 U10.8 U11.8 U11.9 U12.2 U12.4 U13.15 U13.18 U14.2 U14.7 U15.5 U15.6 U15.7 U15.10 U15.13 U15.17 Y1.2 Y1.4
/AIN0: C68.2 C74.2 R59.1 U13.21
/AIN1: C69.1 C74.1 R60.1 U13.22
/AIN2: C70.2 C76.2 R61.1 U13.23
/AIN3: C71.1 C76.1 R63.1 U13.24
/AIN4: C84.2 C89.2 R72.1 U13.25
/AIN5: C85.1 C89.1 R73.1 U13.26
/AIN6: C86.2 C90.2 R74.1 U13.27
/AIN7: C87.1 C90.1 R75.1 U13.28
/AIN+: C73.1 C75.1 R64.1 U13.2
/AIN-: C72.2 C75.2 R62.1 U13.1
/AINCOM: JP9.2 U13.3
/BOOST1: C47.1 C48.1 IC3.2 IC3.3 JP7.3 L3.1
/BOOST2: C60.1 C61.1 JP7.1 L4.1 R54.2 U15.8 U15.11
/BYPASS: C50.2 J9.3 TP10.1 U13.17
/GPIO-ADS-RESET: R44.2 R50.1 U2.19
/GPIO-ADS-START: R41.2 U2.39
/GPIO-AFE-ADC_RDY: IC4.28 U2.6
/GPIO-AFE-RESET: IC4.29 R76.2 U2.7
/GPIO-AFE_PDN: IC4.20 U2.8
/GPIO-ALERT-TMP117: R45.2 U2.43 U14.3
/GPIO-DET_SD_CARD: J1.P9 U2.47
/GPIO-DIAG_END: IC4.21 U2.36
/GPIO-DIN-RGB: D4.2 U2.50
/GPIO-DRDY-ADS: R43.2 U2.27
/GPIO-EOC-PRESSURE : U2.38 U3.8
/GPIO-ICM-INT_1.8V: IC1.12 Q1.2 R19.2
/GPIO-INT-ICM: Q1.3 R18.2 U2.51
/GPIO-LED_ALM: IC4.22 U2.49
/GPIO-motor: C41.1 R32.1 U2.23 U9.7
/GPIO-PD_ALM: IC4.23 U2.37
/GPIO-RESET-PRESSURE : JP1.2 R9.1 U3.9
/GPIO-sensor: HDMI1.14 R53.1
/GPIO-SPI3-CS1-AFE: IC4.27 U2.15
/GPIO-Touch1: J8.1 U2.12
/GPIO-valve: C42.1 R33.1 U2.24 U10.7
/GPIO_ALRT-Gauge: R31.2 U2.45 U8.5
/IN7: J7.2 R75.2
/IN+: D6.3 HDMI1.4 R57.2
/IN-: D5.3 HDMI1.6 R58.2
/IO0_BOOT: C32.1 LS1.2 SW2.1 U2.5
/IO8_SDA1: HDMI1.16 J10.3 R11.2 U2.13 U3.2 U8.8 U14.6
/IO9_SCL1: HDMI1.15 J10.4 R12.2 U2.14 U3.3 U8.7 U14.1
/IO10_VBAT: C31.1 R29.2 R30.1 R62.2
/IO11_SPI3-MOSI: IC4.26 U2.16
/IO12_SPI3-CLK: IC4.24 U2.17
/IO13_SPI3-MISO: IC4.25 U2.18
/IO15_SCL2: J11.4 J12.4 Q2.3 R3.2 U2.21
/IO16_SDA2: J11.3 J12.3 Q3.3 R2.2 U2.22
/IO33_VUSB: C28.1 R25.2 R26.1 R64.2
/IO35_SPI2-MOSI: HDMI1.11 J1.P3 J3.2 J4.2 R38.1 U2.40
/IO36_SPI2-CLK: HDMI1.5 J1.P5 J3.4 J4.4 R39.1 U2.41
/IO37_SPI2-MISO: HDMI1.8 J1.P7 J3.3 J4.3 R42.2 U2.42
/LBO: J9.8 TP12.1 U15.12 U16.1
/LD02-EN: R35.1 U2.52 U11.2
/LED_DRV_SUP: C81.2 C91.2 D8.2 D10.2 IC4.17 IC4.18 L5.1
/LNA_IN: C13.2 L2.1 U2.1
/N+: IC4.2 R57.1
/N-: IC4.1 R58.1
/NTC0: C58.1 HDMI1.7 R51.2 R52.1 R72.2
/NTC0F: C53.1 R51.1 R60.2
/NTC1: C55.1 HDMI1.10 R46.2 R49.1 R73.2
/NTC1F: C52.1 R46.1 R63.2
/RESET: C27.2 R23.2 SW1.1 U2.4
/RX_ANA_SUP: C66.2 C94.2 D5.2 D6.2 IC4.33 IC4.39 L8.1
/RX_DIG_SUP: C80.2 C93.2 IC4.31 L7.1 R76.1
/SCK/SCL_1.8V: IC1.23 Q2.2 R22.2
/SDI/SDA_1.8V: IC1.24 Q3.2 R24.2
/SPI2-CS2-SD: J1.P2 U2.9
/SPI2-CS3-ADS: R40.2 U2.44
/SPI2-CS4-CONN: J3.5 J4.5 U2.10
/SPI2-CS5-HDMI: HDMI1.2 U2.11
/SPICLK: R6.1 U1.6 U5.6
/SPICS0: R1.1 U1.1 U2.32
/SPICS1: R13.1 U2.28 U5.1
/SPID: R8.1 U1.5 U5.5
/SPIHD: R4.1 U1.7 U5.7
/SPIQ: R7.1 U1.2 U5.2
/SPIWP: R5.1 U1.3 U5.3
/T+: IC4.14 R65.2
/T-: IC4.15 R66.2
/TVM: C34.2 J6.1 J9.13 TP4.1 U9.1
/TVV: C33.2 J6.3 J9.16 TP5.1 U10.1
/TX+: D10.3 HDMI1.1 R66.1 TP15.1
